# Altium PCB MB1137.PcbDoc (part 2 of 4)
Units mm, origin at the board's own origin, x right, y up, seen from the top; angles counter-clockwise.
Board outline 70.13 x 133.47 mm, 6 copper layers (Top Layer, GND, Signal, PWR, GND (Mid2), Bottom Layer), stack 1.893 mm thick; 293 components, 281 nets, 1134 pads, 921 vias.
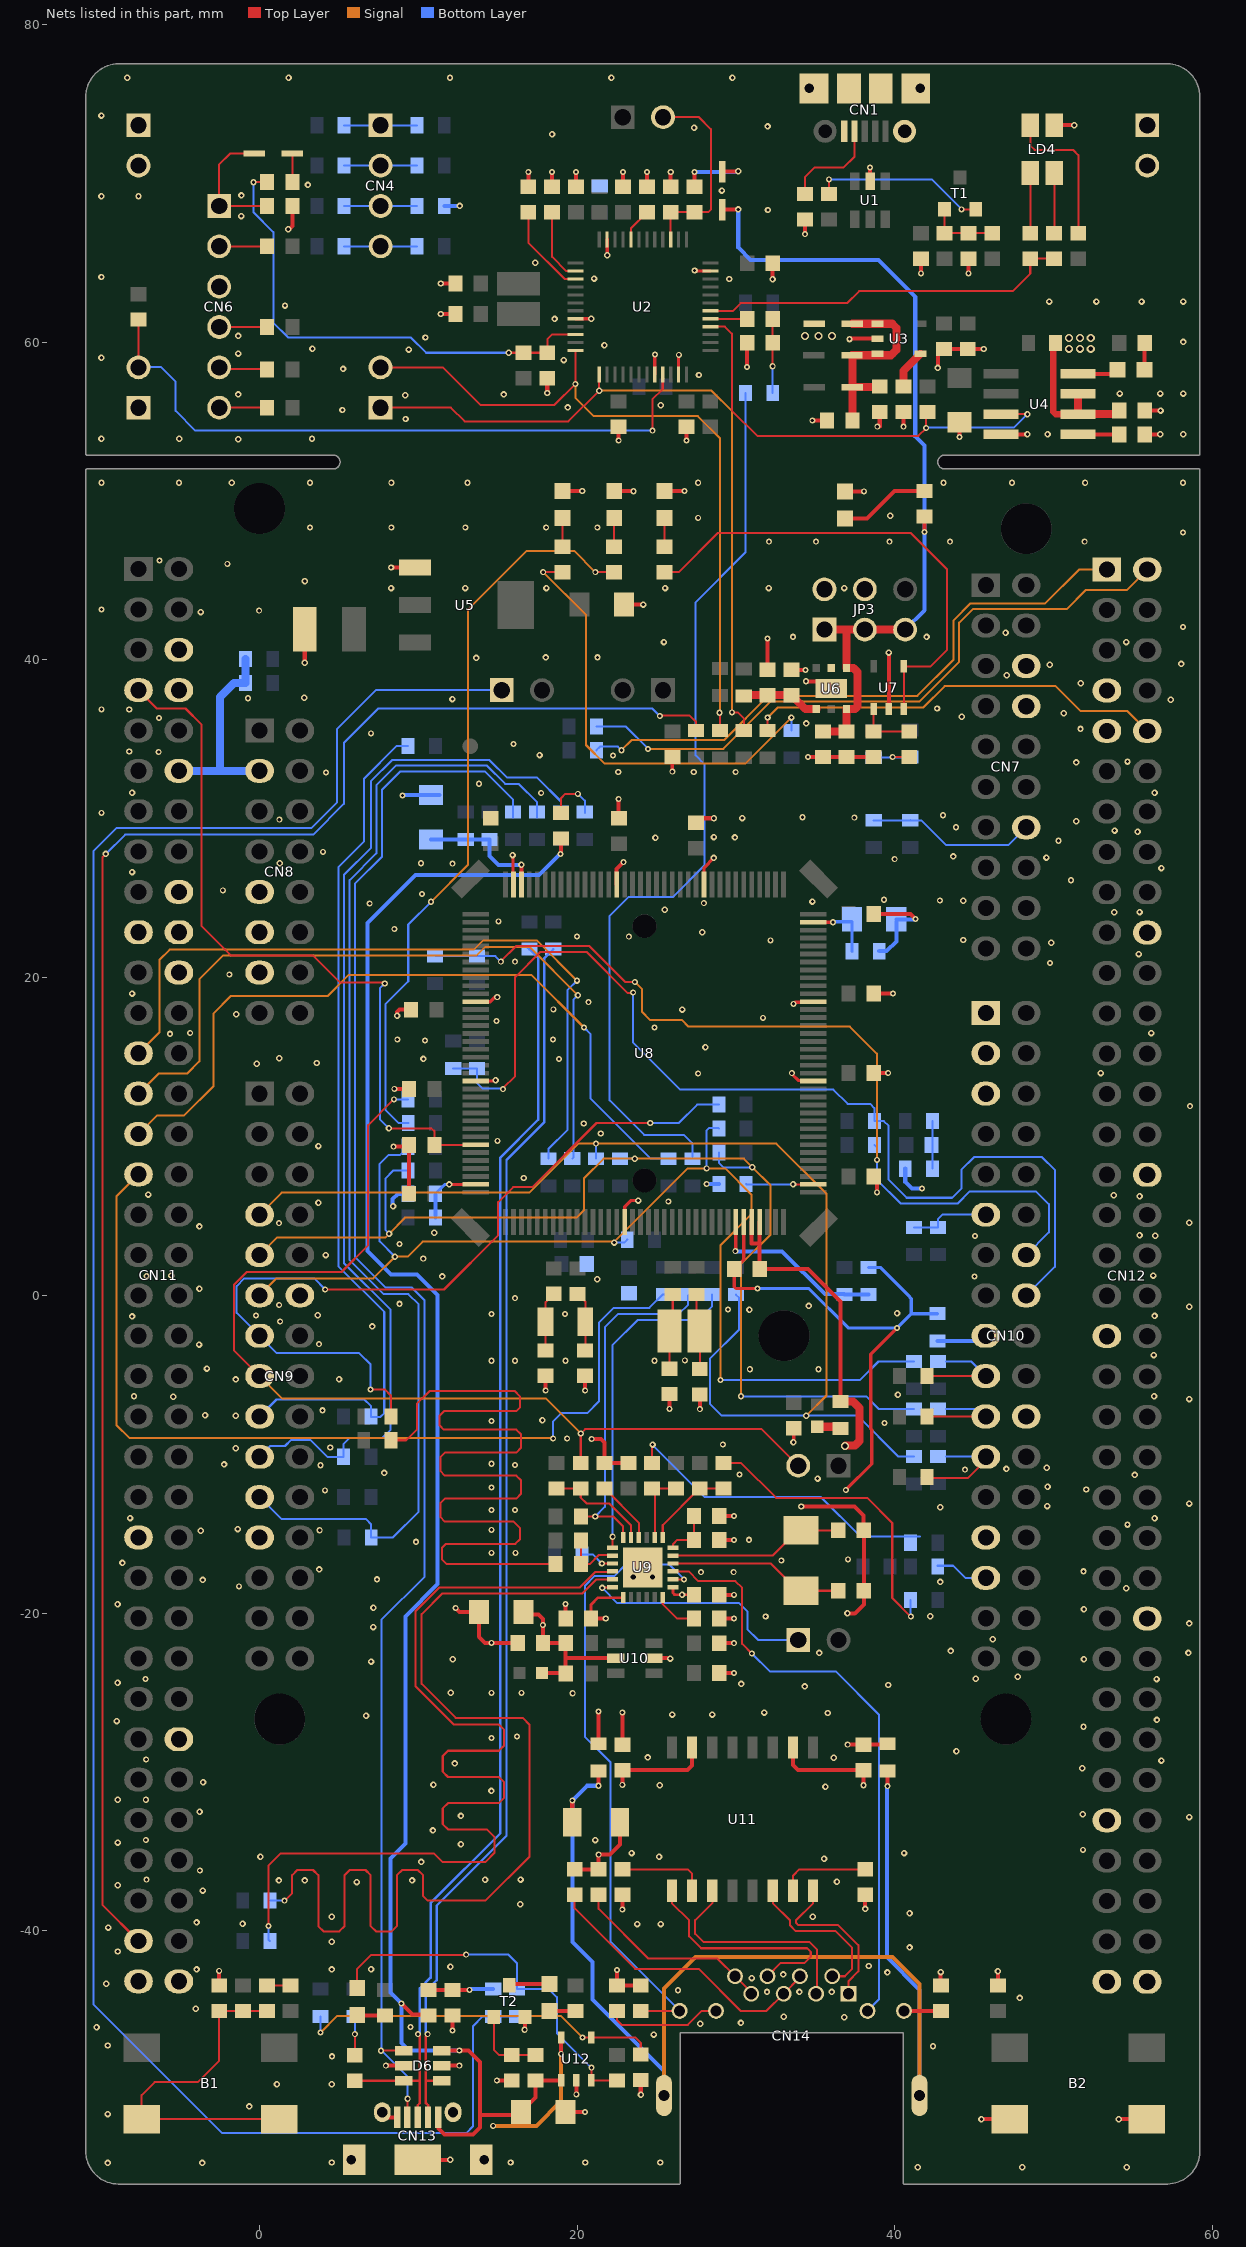
[diagram p6: the nets of this part, all layers, seen from the top]

## Via types
v1: diameter 0.406, hole 0.203, Top Layer to Bottom Layer, tented both sides, 464 vias
v2: diameter 0.381, hole 0.203, Top Layer to Bottom Layer, tented both sides, 415 vias
v3: diameter 0.508, hole 0.305, Top Layer to Bottom Layer, tented both sides, 39 vias
v4: diameter 0.66, hole 0.33, Top Layer to Bottom Layer, tented both sides, 2 vias
v5: diameter 0.381, hole 0.203, Top Layer to Bottom Layer, 1 vias

## Nets (pads, with @x,y where several pads share a name; then routed paths per layer and width w, separated by ;. In a path a pad name is that pad's centre, name@x,y a point inside that pad or via, vN(x,y) a via of type N, cw(c..) or ccw(c..) an arc to the next point about the centre after c; other vN are vias at no path point) (continued)
+5V: C22.2 C23.1 CN8.9 CN11.18 D2.1 JP3.1 JP3.3 JP3.5 R29.2 U6.1 U6.6 U12.5 | length 61.6
  Top Layer w0.254: v2(18.989,-47.74) U12.5@18.989,-46.707 ; D2.1@29.134,68.345 v1@30.115,68.345 ; v2(41.859,48.057) R29.2@41.859,49.035
  Top Layer w0.508: C22.2@35.458,35.496 C23.1@36.957,35.496 U6.6@36.957,36.886 ; JP3.1@35.56,41.91 36.932,41.91 ; U6.6@36.942,36.902 37.486,36.902 37.643,37.059 37.643,39.243 37.384,39.502 U6.1@36.942,39.502 36.942,41.9 36.932,41.91 ; JP3.5@40.64,41.91 JP3.3@38.1,41.91 36.932,41.91
  Signal w0.254: v2@14.707,-52.299 14.732,-52.273 17.42,-52.273 18.989,-50.704 v2(18.989,-47.74)
  Bottom Layer w0.254: v1(30.134,68.364) 30.134,65.954 30.912,65.176 38.96,65.176 41.275,62.862 41.275,54.077 41.859,53.492 v2(41.859,48.057) 41.859,43.129 JP3.5@40.64,41.91
  other v2: 14.707,-52.273
AGND: C34.2 CN10.3 CN12.32 SB162.2 SB166.1 U8.31 | length 34.6
  Top Layer w0.203: U8.31@30.482,4.615 30.482,2.249 C34.2@29.883,1.651 29.883,0.537 29.986,0.434 31.347,0.434 v2(31.35,0.432) ; v2(36.906,-12.243) 38.537,-10.612 38.537,-8.451 38.473,-8.387 38.473,-3.706 v2(40.132,-2.047)
  Bottom Layer w0.203: v2(31.35,0.432) 34.584,0.432 37.063,-2.047 v2(40.132,-2.047) 41.03,-1.149 ; SB166.1@38.329,1.764 39.079,1.764 40.823,0.02 40.823,0.007 41.03,-0.2 41.03,-1.149 ; SB162.2@42.672,-1.149 41.03,-1.149
AIN_1: R1.2 R24.2 R25.2 U2.10 | length 31
  Top Layer w0.127: v1(-0.381,70.079) R1.2@0.47,70.079 ; v1(15.687,59.339) R25.2@16.612,59.339 R24.2@18.11,59.339 18.11,60.195 18.395,60.48 U2.10@19.88,60.48
  Bottom Layer w0.127: v1(-0.381,70.079) -0.381,68.174 0.864,66.929 0.864,61.239 1.803,60.3 9.525,60.3 10.485,59.339 v1(15.687,59.339)
AVDD: C34.1 CN7.6 CN10.1 CN12.7 SB12.2 U8.32 U8.33 | length 21.6
  Top Layer w0.254: U8.32@30.982,4.615 30.982,3.261 31.482,3.261 ; U8.33@31.482,4.615 31.482,3.261 ; C34.1@31.483,1.575 31.482,1.577 31.482,3.261 ; C34.1@31.483,1.651 34.537,1.651 36.576,-0.388 SB12.2@36.576,-6.675
  Top Layer w0.508: SB12.2@36.576,-6.675 37.358,-6.675 37.77,-7.087 37.77,-9.172 37.493,-9.449 36.881,-9.449 v3(36.852,-9.478)
BOOT0: CN11.7 R36.1 U8.138 | length 46.5
  Top Layer w0.127: CN11.7@-7.62,38.1 -6.464,36.944 -4.661,36.944 -3.658,35.941 -3.658,23.272 -1.773,21.388 3.377,21.388 5.08,19.685 7.874,19.685 v1(7.874,19.634) ; v1(8.142,10.516) 10.82,10.516 11.011,10.325 R36.1@11.011,9.474 ; R36.1@11.023,9.461 U8.138@13.578,9.461
  Bottom Layer w0.127: v1@7.874,19.685 v1(7.874,19.634) 7.569,19.329 7.569,11.089 v1(8.142,10.516)
E5V: CN11.6 D3.1 JP3.2
  other v3: 34.341,60.401 35.192,60.401 36.043,60.401
EGND: C51.1 CN14.13 CN14.14 SB16.1 SB17.1 | length 77.9
  Top Layer w0.254: C51.1@19.684,-33.172 19.684,-31.802 v2(19.685,-31.801) ; v2(21.336,-30.867) SB16.1@21.336,-29.94 ; v2(39.522,-30.893) SB17.1@39.522,-29.94
  Signal w0.254: CN14.14@25.463,-50.359 25.463,-43.625 27.429,-41.659 39.855,-41.659 41.543,-43.346 CN14.13@41.543,-50.359
  Bottom Layer w0.254: v2(21.336,-30.867) 20.618,-30.867 v2(19.685,-31.801) 19.685,-40.691 20.955,-41.961 20.955,-44.326 25.463,-48.833 CN14.14@25.463,-50.359 ; v2(39.522,-30.893) 39.487,-30.928 39.487,-41.658 41.543,-43.713 CN14.13@41.543,-50.359
GND: B2.1 B2.4 C1.1 C2.1 C3.1 C4.1 C5.2 C6.2 C7.2 C8.1 C9.2 C10.1 C11.1 C12.1 C13.1 C14.1 C15.1 C16.2 C17.2 C18.2 C19.1 C20.2 C21.2 C22.1 C23.2 C24.2 C25.2 C26.2 C27.2 C28.2 C29.2 C30.2 C31.2 C32.2 C33.2 C35.2 C36.2 C37.2 C38.2 C39.2 C40.1 C41.2 C42.1 C43.2 C44.1 C45.2 C46.2 C47.1 C48.1 C49.1 C50.1 C53.1 C54.2 C55.2 C56.2 C57.2 C58.2 CN1.5 CN1.6 CN1.7 CN1.8 CN1.9 CN1.10 CN2.1 CN2.2 CN3.1 CN3.2 CN6.3 CN7.8 CN8.11 CN8.13 CN9.12 CN9.23 CN10.5 CN10.17 CN10.22 CN10.27 CN11.8 CN11.19 CN11.20 CN11.22 CN11.49 CN11.60 CN11.71 CN11.72 CN12.9 CN12.20 CN12.39 CN12.54 CN12.63 CN12.71 CN12.72 CN13.5 CN13.6 CN13.7 CN13.8 CN13.9 CN13.10 D6.2 D6.5 JP2.1 LD1.2 LD2.2 LD3.2 LD4.1 LD6.2 R2.2 R3.1 R4.1 R6.1 R7.2 R11.2 R16.1 R24.1 R28.1 R33.2 R36.2 R41.2 R49.2 R58.2 R63.2 R65.2 R66.2 R67.2 R69.1 R72.1 SB16.2 SB17.2 SB106.2 SB107.1 SB129.2 SB152.2 SB153.2 SB155.2 SB162.1 T2.2 U1.2 U2.8 U2.20 U2.23 U2.35 U2.47 U3.2 U4.4 U5.1 U6.0 U6.2 U7.2 U8.16 U8.51 U8.61 U8.83 U8.94 U8.107 U8.120 U8.130 U9.25 U10.2 U12.2 | length 158.5
  Top Layer w0.203: U8.130@13.607,13.49 v1@14.852,13.49 ; U8.120@13.607,18.49 14.53,18.49 14.81,18.771 v2(14.961,18.771) ; v1(15.926,27.719) 15.951,27.694 15.951,25.896 U8.107@15.982,25.865 ; U2.8@19.88,61.48 v1(20.883,61.479) v1(20.883,61.479) ; v1(21.88,65.475) U2.47@21.88,66.48 ; U8.16@22.982,4.615 22.982,5.583 23.368,5.969 v1(23.836,5.969) ; U2.20@24.88,57.98 v2@24.88,59.221 ; v2(25.984,32.969) C21.2@25.984,33.896 C21.2@26.162,33.719 ; U2.23@26.38,57.98 v2@26.38,59.197 ; v1(27.381,64.516) 27.417,64.48 U2.35@28.38,64.48 ; U8.83@27.982,25.865 27.982,26.928 v1(28.594,27.54) ; v2(33.503,13.99) 33.503,13.938 33.905,13.535 34.811,13.535 U8.51@34.857,13.49 ; v1(33.604,-9.246) 33.63,-9.22 C39.2@33.63,-8.354 ; v2(33.618,18.355) 33.716,18.453 U8.61@34.82,18.453
  Top Layer w0.254: R58.2@-2.54,-43.447 v2(-2.54,-42.52) ; v1@1.854,67.107 2.07,67.323 R2.2@2.07,68.58 ; v1(2.844,39.827) C17.2@2.844,41.935 ; CN13.6@7.732,-51.415 8.057,-51.74 CN13.5@8.657,-51.74 ; v2@7.976,-48.489 D6.2@9.062,-48.489 ; v1@8.23,45.822 v1(8.28,45.822) U5.1@9.779,45.822 ; v2(8.426,9.36) R36.2@9.354,9.36 ; v2(8.484,13.005) C30.2@9.411,13.005 ; v1(8.657,17.602) 8.657,17.826 8.814,17.983 C28.2@9.538,17.983 ; C33.2@9.411,6.401 R36.2@9.411,9.474 ; CN13.8@9.957,-54.415 v1(11.997,-54.415) ; v2(11.405,61.773) C6.2@12.332,61.773 ; v2(11.405,63.703) C5.2@12.332,63.703 ; D6.5@11.462,-48.489 v2@12.548,-48.489 ; v2(12.141,-46.279) R63.2@12.141,-45.326 ; v2(12.344,-19.685) 12.598,-19.939 C46.2@13.818,-19.939 13.818,-21.488 14.199,-21.869 v2(14.605,-21.869) C48.1@16.243,-21.869 ; v2(14.935,-49.417) 14.937,-49.416 R69.1@15.875,-49.416 ; v2(16.688,-46.228) 16.703,-46.213 T2.2@16.703,-45.425 ; R3.1@16.916,69.786 v2(16.916,70.714) ; v2(18.009,-5.994) C35.2@18.009,-5.067 ; v2(18.11,56.812) R24.1@18.11,57.739 ; R4.1@18.415,69.786 v2(18.415,70.714) ; LD3.2@19.12,50.634 v2(20.314,50.633) ; C54.2@19.253,-51.41 v2(20.482,-51.41) ; C47.1@19.266,-20.345 v2(19.266,-19.418) ; C1.1@19.914,69.786 v2(19.914,70.714) ; v2(19.939,-50.292) U12.2@19.939,-49.407 ; v2(20.498,-5.994) C36.2@20.498,-5.067 ; v2(20.904,-9.042) 21.488,-9.042 21.717,-9.271 R41.2@21.717,-10.554 C40.1@23.216,-10.554 ; SB16.2@21.336,-28.226 v2(21.336,-26.194) ; LD2.2@22.346,50.622 v2@23.539,50.622 ; U8.94@22.482,25.865 22.482,26.84 v2(22.911,27.269) ; v2(22.504,-42.469) R65.2@22.504,-43.447 R66.2@23.995,-43.447 ; C25.2@22.606,30.099 v2(22.606,31.242) ; v2(22.606,53.823) C12.1@22.606,54.674 ; C49.1@22.835,-28.283 v2(22.835,-26.251) ; C2.1@22.885,69.786 v2(22.885,70.714) ; C18.2@22.936,43.485 v1(24.155,43.485) ; R72.1@23.995,-49.39 23.995,-50.309 v1(24.003,-50.317) ; R6.1@24.384,69.786 v2(24.384,70.714) ; U10.2@24.83,-22.835 25.859,-22.835 25.857,-22.836 v1(25.857,-22.86) ; LD1.2@25.552,50.634 v2@26.746,50.634 ; v2(25.806,-7.137) C37.2@25.806,-6.21 ; R7.2@25.883,69.786 v2(25.883,70.714) ; v2(26.873,53.823) C13.1@26.873,54.674 ; C26.2@27.483,30.035 v2(28.594,30.035) ; v2(27.711,-7.163) C38.2@27.711,-6.236 ; R49.2@28.943,-20.345 v2(29.87,-20.345) ; C44.1@28.943,-18.847 v2(29.87,-18.847) ; C42.1@28.943,-15.392 v2(29.87,-15.392) ; C41.2@28.943,-13.894 v2(29.87,-13.894) ; v2(30.683,58.445) 30.696,58.458 C7.2@30.696,59.969 ; C19.1@31.979,39.383 v2(31.979,41.353) ; v1(32.296,63.97) C3.1@32.296,64.973 ; C20.2@33.477,39.383 v2@34.404,39.383 ; v1(34.105,-13.29) 37.453,-13.29 38.024,-13.861 38.024,-14.77 C43.2@38.036,-14.783 ; v2(34.341,66.802) R11.2@34.341,67.729 ; v2(34.404,38.659) U6.0@35.331,38.659 ; v2(34.531,33.896) C22.1@35.458,33.896 R33.2@38.659,33.896 ; v2(34.798,55.067) C10.1@35.725,55.067 ; LD6.2@36.856,50.617 v2(38.05,50.616) ; v2(37.021,-28.283) C50.1@38.024,-28.283 SB17.2@39.465,-28.283 ; v1@37.073,-20.015 37.468,-20.015 38.036,-19.446 C45.2@38.036,-18.593 C43.2@38.036,-14.783 ; v1@37.135,60.223 U3.2@38.909,60.223 ; C43.2@38.024,-14.795 C43.2@38.036,-14.783 ; U1.2@38.43,70.136 v2(38.43,70.993) ; C31.2@38.671,13.995 v2(39.573,13.995) ; C29.2@38.671,18.999 v2(39.878,18.999) ; C27.2@38.671,24.003 40.989,24.003 v2(41.294,23.698) ; C32.2@38.697,7.518 C32.2@38.671,7.493 38.862,7.302 v2(38.862,6.49) ; v2(38.887,54.686) 39.04,54.686 C14.1@39.04,55.613 ; U7.2@39.611,36.902 v1(39.611,40.462) ; v2(40.538,54.686) C15.1@40.538,55.613 ; v2(41.631,64.338) C4.1@41.631,65.265 ; v1(42.697,58.382) C8.1@42.697,59.385 ; R67.2@42.875,-43.447 v1(42.875,-42.596) ; C8.1@43.078,59.576 C9.2@44.577,59.576 v1(45.58,59.576) ; v2(44.069,54.038) C16.2@44.069,54.966 ; v2(44.62,64.338) R16.1@44.62,65.265 ; v1(45.437,-51.856) B2.1@47.212,-51.856 ; C53.1@46.482,-43.447 v1(46.482,-42.545) ; U4.4@46.673,54.204 v1(48.336,54.204) ; LD4.1@50.026,73.661 v1(51.281,73.661) ; v1(54.087,-51.856) B2.4@55.862,-51.856 ; R28.1@55.715,54.204 v1(56.693,54.204) ; C11.1@55.715,55.702 v1(56.718,55.702)
  Bottom Layer w0.254: v1(8.407,5.613) 8.382,5.613 8.382,6.08 8.699,6.396 SB153.2@9.352,6.396 ; v2(8.992,31.471) 9.017,31.496 C55.2@10.795,31.496 C55.2@11.328,31.496 ; SB106.2@11.627,68.58 v1(12.598,68.58) ; v2(28.143,7.018) 28.151,7.01 SB155.2@28.912,7.01 ; SB129.2@39.008,21.666 39.479,21.666 40.094,22.281 C56.2@40.094,23.52 ; C56.2@40.081,23.673 41.269,23.673 v2(41.294,23.698) ; SB152.2@40.646,7.976 40.646,7.131 41.058,6.719 41.695,6.719 v2(41.707,6.731) ; SB162.1@42.672,-2.864 45.396,-2.864 CN10.17@45.72,-2.54
  other v1: 41.428,-54.889 48.006,-54.889 54.584,-54.889 -9.563,-54.61 -3.613,-54.61 4.547,-54.585 15.799,-54.585 20.503,-54.585 25.222,-54.585 -9.563,-51.537 -0.654,-51.055 1.092,-49.658 4.547,-49.658 4.558,-47.904 42.393,-47.269 -9.563,-47.219 24.816,-46.533 -10.262,-46.076 27.737,-45.847 30.302,-45.796 36.8,-45.441 32.997,-45.415 -4.012,-44.907 47.854,-44.221 31.944,-43.845 33.984,-43.845 36.024,-43.845 26.34,-43.739 -9.652,-43.332 30.982,-42.973 32.964,-42.745 39.522,-42.621 -3.962,-42.431 4.547,-42.431 7.023,-42.418 12.014,-42.266 38.354,-42.215 -8.925,-41.3 40.918,-41.041 4.547,-40.691 -9.525,-39.796 23.774,-39.573 25.248,-39.573 -1.067,-39.548 -3.962,-39.472 4.547,-39.116 34.823,-39.116 40.919,-38.887 16.408,-38.329 -3.581,-37.465 -8.925,-37.135 6.121,-36.932 36.347,-36.906 1.219,-36.83 2.845,-36.83 9.601,-36.83 14.199,-36.779 16.434,-36.772 10.173,-35.662 35.535,-35.458 0.051,-35.331 25.146,-35.331 23.419,-35.103 40.57,-35.103 12.675,-34.544 -8.925,-34.442 21.133,-34.29 10.91,-33.68 58.522,-32.839 12.675,-32.766 51.816,-32.664 -3.778,-32.504 -8.925,-31.75 14.592,-31.191 35.62,-30.937 25.191,-30.836 10.942,-30.8 -3.556,-30.645 51.791,-29.769 12.294,-29.464 56.769,-29.286 36.144,-29.108 24.435,-29.083 43.866,-28.702 51.867,-27.153 -8.992,-26.797 56.49,-26.721 6.706,-26.467 25.982,-26.391 28.499,-26.391 35.763,-26.289 31.775,-26.264 12.04,-25.006 34.315,-24.613 39.573,-24.524 30.328,-24.46 -8.941,-24.384 56.464,-24.155 45.085,-24.132 47.727,-24.003 7.023,-23.048 12.167,-22.911 51.892,-22.911 35.23,-22.504 58.471,-22.504 43.51,-22.377 46.152,-21.641 7.163,-20.879 58.522,-20.65 31.852,-20.214 42.215,-20.202 37.008,-20.015 51.892,-19.761 7.166,-19.66 -8.941,-19.435 54.55,-18.44 42.85,-18.034 -3.581,-17.907 7.391,-17.878 51.868,-17.374 3.762,-17.247 -8.636,-16.84 9.849,-15.519 30.81,-15.392 -3.708,-14.808 -1.372,-14.707 54.635,-14.427 -8.153,-14.021 56.338,-14.034 42.85,-13.335 49.581,-13.259 58.522,-13.105 52.045,-12.217 49.606,-12.04 35.128,-11.532 55.093,-11.303 7.849,-11.176 47.015,-10.922 49.555,-10.846 3.835,-10.693 -2.235,-10.643 -1.499,-9.627 4.445,-9.576 17.805,-7.861 -1.499,-7.569 -3.429,-7.544 3.962,-7.239 58.522,-6.527 -5.436,-6.375 56.312,-6.35 40.183,-6.248 -1.499,-5.288 5.004,-5.283 -3.315,-4.61 56.286,-3.759 -3.81,-3.099 7.099,-1.956 -8.026,-1.321 56.337,-1.295 3.658,-1.245 40.132,-1.118 30.836,-0.908 58.522,-0.711 34.569,-0.66 8.808,-0.533 -3.785,0.414 21.26,1.016 11.506,1.194 -7.112,1.219 -5.563,1.245 56.261,1.251 4.16,2.54 56.389,3.759 55.397,3.785 10.998,3.95 -3.785,4.343 58.522,4.572 3.708,5.837 55.397,6.248 53.772,6.299 -7.01,6.35 16.637,7.391 3.708,9.398 14.859,13.538 52.959,13.995 -0.178,14.58 3.607,14.63 10.312,14.884 1.232,14.935 28.065,15.621 -5.639,16.459 56.134,16.51 -1.473,17.704 26.602,17.995 -8.026,18.999 55.347,21.488 27.864,22.86 53.797,24.116 55.397,24.13 25.502,24.283 34.799,24.791 44.296,24.841 51.079,26.137 -8.026,26.646 56.769,26.899 49.53,27.559 43.663,27.635 50.292,28.626 24.917,28.804 29.921,28.829 28.6,28.854 55.27,29.185 53.823,29.261 43.84,29.464 51.41,29.845 30.378,30.048 -8.026,31.648 56.337,31.648 51.41,33.553 54.635,33.604 17.626,34.011 -8.204,34.239 51.676,35.662 34.417,36.006 44.196,36.424 50.622,36.652 -8.204,36.881 42.647,36.944 57.353,37.49 12.141,37.541 -0.728,37.592 2.819,37.617 51.689,38.538 47.041,39.04 49.74,39.7 58.014,39.751 13.64,40.132 18.009,40.157 21.273,40.157 25.451,41.123 54.559,41.123 33.579,41.453 41.986,41.453 46.965,41.719 -3.708,43.011 8.28,44.526 12.941,44.526 18.055,44.526 25.527,44.526 32.055,44.526 36.805,44.526 2.857,44.958 39.706,49.073 -1.346,53.899 -9.957,53.924 -5.055,53.924 49.606,54.204 58.141,54.204 9.195,55.169 5.213,55.734 19.394,55.898 25.261,56.032 9.169,56.667 -1.346,56.717 15.367,56.717 54.153,56.769 56.693,56.769 58.141,56.769 27.661,57.937 5.258,58.318 19.152,58.877 -9.957,59.028 -1.346,59.284 9.398,59.538 3.327,59.588 21.71,59.817 58.141,60.02 37.135,60.198 10.439,60.3 -1.346,60.4 18.567,61.468 1.6,62.306 49.716,62.56 52.68,62.56 55.524,62.56 58.141,62.56 29.566,63.983 21.057,64.008 -9.957,64.108 17.348,64.999 1.803,67.107 -1.157,67.945 32.004,68.326 -9.957,69.188 -7.62,69.188 -1.145,69.24 29.108,69.545 3.044,69.901 18.415,73.1 27.356,73.508 31.979,73.584 -9.957,74.27 -8.331,76.657 1.829,76.657 11.989,76.657 22.149,76.657 29.769,76.657
  other v2: 7.95,-48.489 12.573,-48.489 9.5,-46.05 -7.112,-36.779 -3.759,-36.195 51.841,-34.9 -7.163,-34.29 -7.163,-31.75 -7.137,-29.21 14.592,-27.864 16.205,-27.767 19.71,-25.044 14.605,-25.019 16.485,-25.019 -7.188,-24.155 -1.295,-18.313 27.788,-17.424 29.845,-17.424 32.842,-16.688 37.033,-16.612 14.605,-16.205 16.104,-16.205 3.785,-14.783 14.605,-14.757 14.605,-13.513 16.078,-13.513 4.115,-12.268 14.605,-12.091 30.206,-11.278 44.399,-10.973 16.078,-10.668 14.605,-10.598 29.159,-9.389 19.365,-9.004 39.345,-8.026 14.605,-7.899 -7.899,-6.35 30.861,-4.648 35.179,-4.648 14.605,-4.115 16.078,-4.115 19.253,-4.115 24.867,-4.115 26.772,-4.089 3.734,-3.073 1.295,-1.651 -0.229,-1.269 14.605,-1.168 19.228,-1.168 29.489,-0.889 1.232,-0.61 16.078,-0.178 45.009,1.194 10.304,2.311 8.814,3.237 45.034,3.734 1.219,4.547 25.73,5.905 14.986,9.728 21.476,10.185 20.408,10.82 58.572,11.913 27.61,13.968 18.847,14.877 10.414,16.053 8.67,16.104 18.466,16.104 -4.369,16.51 24.867,16.866 14.91,17.272 31.699,17.475 18.491,18.009 20.701,18.457 -1.905,20.193 49.76,20.93 16.078,21.006 49.835,22.2 32.163,22.352 44.298,22.377 23.244,22.581 19.99,22.592 8.484,23.063 15.037,23.546 6.93,24.663 27.965,24.689 42.824,24.855 39.306,24.905 10.228,25.273 -2.311,25.502 12.141,27.178 1.27,27.203 10.16,27.203 39.98,27.457 3.988,27.924 1.245,29.947 37.439,30.074 34.171,30.099 43.017,30.226 -9.944,30.378 17.729,31.623 13.818,32.207 4.178,32.918 22.581,32.944 27.33,32.944 29.972,32.944 22.25,33.985 -6.35,34.214 15.977,34.703 7.01,35.382 -6.325,36.347 -9.944,36.893 34.366,39.37 58.128,42.083 -0.025,43.104 -9.944,43.18 2.844,44.971 -2.032,46.05 -6.299,46.253 32.067,47.447 35.027,47.447 39.649,47.447 43.459,47.447 51.943,47.447 58.128,48.031 3.175,48.336 8.293,48.336 12.954,48.336 18.042,48.336 21.26,48.336 27.61,48.946 23.54,50.622 26.746,50.633 -9.944,51.156 -5.067,51.156 -1.753,51.156 3.175,51.156 8.293,51.156 13.086,51.156 27.61,51.156 43.053,51.156 47.361,51.156 51.973,51.156 58.128,51.156 3.302,53.924 26.391,59.207 24.892,59.233
  other v4: 23.53,-17.728 24.73,-17.728
IOREF: CN8.3 CN11.12 SB113.2 SB114.2 | length 13.2
  Bottom Layer w0.508: CN11.12@-5.08,33.02 -2.464,33.02 ; SB113.2@-0.883,40.056 SB114.2@-0.883,38.557 -1.6,38.557 -2.489,37.668 -2.489,33.045 -2.464,33.02 ; CN8.3@0,33.02 -2.464,33.02
LED_STLINK: R13.1 R17.1 U2.30 | length 23.6
  Top Layer w0.127: U2.30@28.38,61.98 28.397,61.963 29.792,61.963 30.288,62.459 36.98,62.459 37.742,63.221 47.409,63.221 48.514,64.326 R13.1@48.514,65.265 R17.1@50.013,65.265
MCO: SB112.2 SB149.1 | length 57.5
  Bottom Layer w0.127: SB149.1@27.247,8.604 27.247,9.578 26.716,10.109 24.206,10.109 22.04,12.275 22.04,23.895 23.216,25.07 26.012,25.07 28.002,27.06 28.002,33.432 27.444,33.99 27.444,43.624 30.588,46.768 SB112.2@30.588,56.794
NetB1_1: B1.1 B1.4 C52.2 R58.1 R59.1 | length 22.1
  Top Layer w0.127: C52.2@0.457,-45.047 R59.1@-1.041,-45.047 R58.1@-2.54,-45.047 -2.54,-48.184 -3.886,-49.53 -6.604,-49.53 -7.424,-50.35 B1.1@-7.424,-51.856 B1.4@1.226,-51.856
NetC7_1: C7.1 R20.2 SB112.1 | length 4.7
  Top Layer w0.127: R20.2@32.296,61.468 C7.1@32.296,59.969 32.296,58.496 v2(32.302,58.489)
  Bottom Layer w0.127: SB112.1@32.302,56.794 v2(32.302,58.489)
NetC10_2: C10.2 C14.2 D3.2 D4.2 D5.2 U3.1 U3.3 | length 13
  Top Layer w0.508: D4.2@37.293,59.182 39.751,59.182 39.842,59.273 40.081,59.512 40.081,60.909 39.827,61.163 D3.2@37.319,61.163 ; D4.2@37.319,59.157 D5.2@37.319,57.175 ; C10.2@37.325,55.067 37.319,55.074 D5.2@37.319,57.175 ; C14.2@39.002,57.175 D5.2@37.319,57.175
NetC11_2: C11.2 JP3.4 SB1.2 U4.6 U4.7 | length 9.9
  Top Layer w0.406: SB1.2@50.108,59.944 49.966,59.802 49.966,55.622 50.114,55.474 U4.6@51.523,55.474
  Top Layer w0.508: U4.7@51.523,56.744 U4.6@51.523,55.474 C11.2@54.115,55.474
  other v3: 50.952,59.588 51.638,59.588 52.324,59.588 50.952,60.274 51.638,60.274 52.324,60.274
NetC15_2: C15.2 U3.4 | length 2.5
  Top Layer w0.508: C15.2@40.538,57.213 40.538,58.203 U3.4@41.609,59.273
NetC19_2: C19.2 C20.1 SB3.1 U6.4 | length 5
  Top Layer w0.508: SB3.1@30.48,37.725 30.537,37.783 C19.2@31.979,37.783 C20.1@33.477,37.783 34.358,36.902 U6.4@35.042,36.902
NetC35_1: C35.1 R37.1 X2.2 | length 3.8
  Top Layer w0.127: C35.1@18.003,-3.462 X2.2@18.003,-1.651 18.003,-0.418 R37.1@18.517,0.095
NetC36_1: C36.1 R38.1 X2.1 | length 3.8
  Top Layer w0.127: R38.1@20.015,0.089 20.503,-0.399 X2.1@20.503,-1.651 C36.1@20.503,-3.462
NetC37_1: C37.1 SB8.1 X3.2 | length 4.7
  Top Layer w0.127: X3.2@25.796,-2.235 26.01,-2.022 SB8.1@26.01,0.057 ; C37.1@25.806,-4.61 X3.2@25.806,-2.245
NetC38_1: C38.1 SB9.1 X3.1 | length 4.8
  Top Layer w0.127: SB9.1@27.508,0.057 27.508,-2.047 X3.1@27.696,-2.235 ; C38.1@27.711,-4.636 X3.1@27.711,-2.25
NetC41_1: C41.1 C42.2 U9.6 | length 3.1
  Top Layer w0.127: U9.6@26.03,-15.878 26.03,-15.651 26.289,-15.392 C42.2@27.343,-15.392 C41.1@27.343,-13.894
NetC43_1: C43.1 U9.5 X4.1 | length 10.8
  Top Layer w0.127: U9.5@26.03,-16.378 32.289,-16.378 33.879,-14.788 X4.1@34.087,-14.788 36.203,-14.788 C43.1@36.208,-14.783
NetC44_2: C44.2 C46.1 C47.2 C48.2 C49.2 C50.2 L2.1 R50.2 R51.2 R52.2 R53.2 U9.1 U9.19 U10.5 U11.2 U11.7 | length 31.3
  Top Layer w0.178: C47.2@20.866,-20.345 20.866,-19.469 21.308,-19.028 U9.19@22.88,-19.028 ; U9.1@26.03,-18.378 26.03,-18.74 26.137,-18.847 v1(26.594,-18.847) C44.2@27.343,-18.847
  Top Layer w0.254: C46.1@16.612,-20.091 17.551,-20.091 17.843,-20.383 C48.2@17.843,-21.869 R52.2@19.266,-21.869 19.266,-22.809 ; L2.1@17.767,-23.774 R53.2@19.241,-23.774 ; R53.2@19.266,-23.8 19.266,-22.809 ; C47.2@20.866,-20.345 v2(21.793,-20.345) ; U10.5@22.43,-22.835 19.291,-22.835 19.266,-22.809 ; v2(22.835,-30.81) C49.2@22.835,-29.883 ; C49.2@23.165,-29.883 26.949,-29.883 27.229,-29.603 U11.7@27.229,-28.459 ; R51.2@28.943,-23.774 v2(29.87,-23.774) ; R50.2@28.943,-21.895 v2(29.87,-21.895) ; U11.2@33.579,-28.459 33.579,-29.566 33.896,-29.883 C50.2@38.024,-29.883 v2(38.024,-30.836)
  other v2: 17.831,-20.752
NetC45_1: C45.1 U9.4 X4.2 | length 11.5
  Top Layer w0.127: U9.4@26.03,-16.878 32.187,-16.878 33.897,-18.588 X4.2@34.087,-18.588 ; X4.2@33.65,-18.588 33.858,-18.588 33.863,-18.593 C45.1@36.361,-18.593
NetC51_2: C51.2 R54.1 R55.1 R56.1 R57.1 | length 7.2
  Top Layer w0.254: R54.1@19.837,-36.132 R55.1@21.344,-36.132 v2(21.344,-35.204) 22.049,-35.204 22.684,-34.57 C51.2@22.684,-33.172 ; v2(22.835,-38.659) R56.1@22.835,-37.732 ; v1(38.125,-38.621) R57.1@38.125,-37.732
NetC52_1: C52.1 R60.2 | length 1.5
  Top Layer w0.127: C52.1@0.457,-43.447 R60.2@1.956,-43.447
NetC54_1: C54.1 CN13.1 D6.6 R35.1 R62.1 R68.1 U12.1 | length 112.8
  Top Layer w0.254: v2(8.922,-44.577) 9.624,-45.28 10.596,-45.28 R62.1@10.643,-45.326 ; CN13.1@11.257,-51.74 11.257,-52.43 11.643,-52.817 13.437,-52.817 13.868,-52.385 13.868,-51.587 ; D6.6@11.462,-47.539 v2(12.573,-47.539) 13.147,-47.539 13.868,-48.26 13.868,-51.587 ; v2(18.952,27.788) 18.974,27.809 R35.1@18.974,28.766 ; U12.1@18.989,-49.407 18.98,-49.416 R68.1@17.374,-49.416 17.374,-50.495 C54.1@16.459,-51.41 16.281,-51.587 13.868,-51.587